# KiCad board s100_ColorMagic-1.1-005.kicad_pcb (continued)
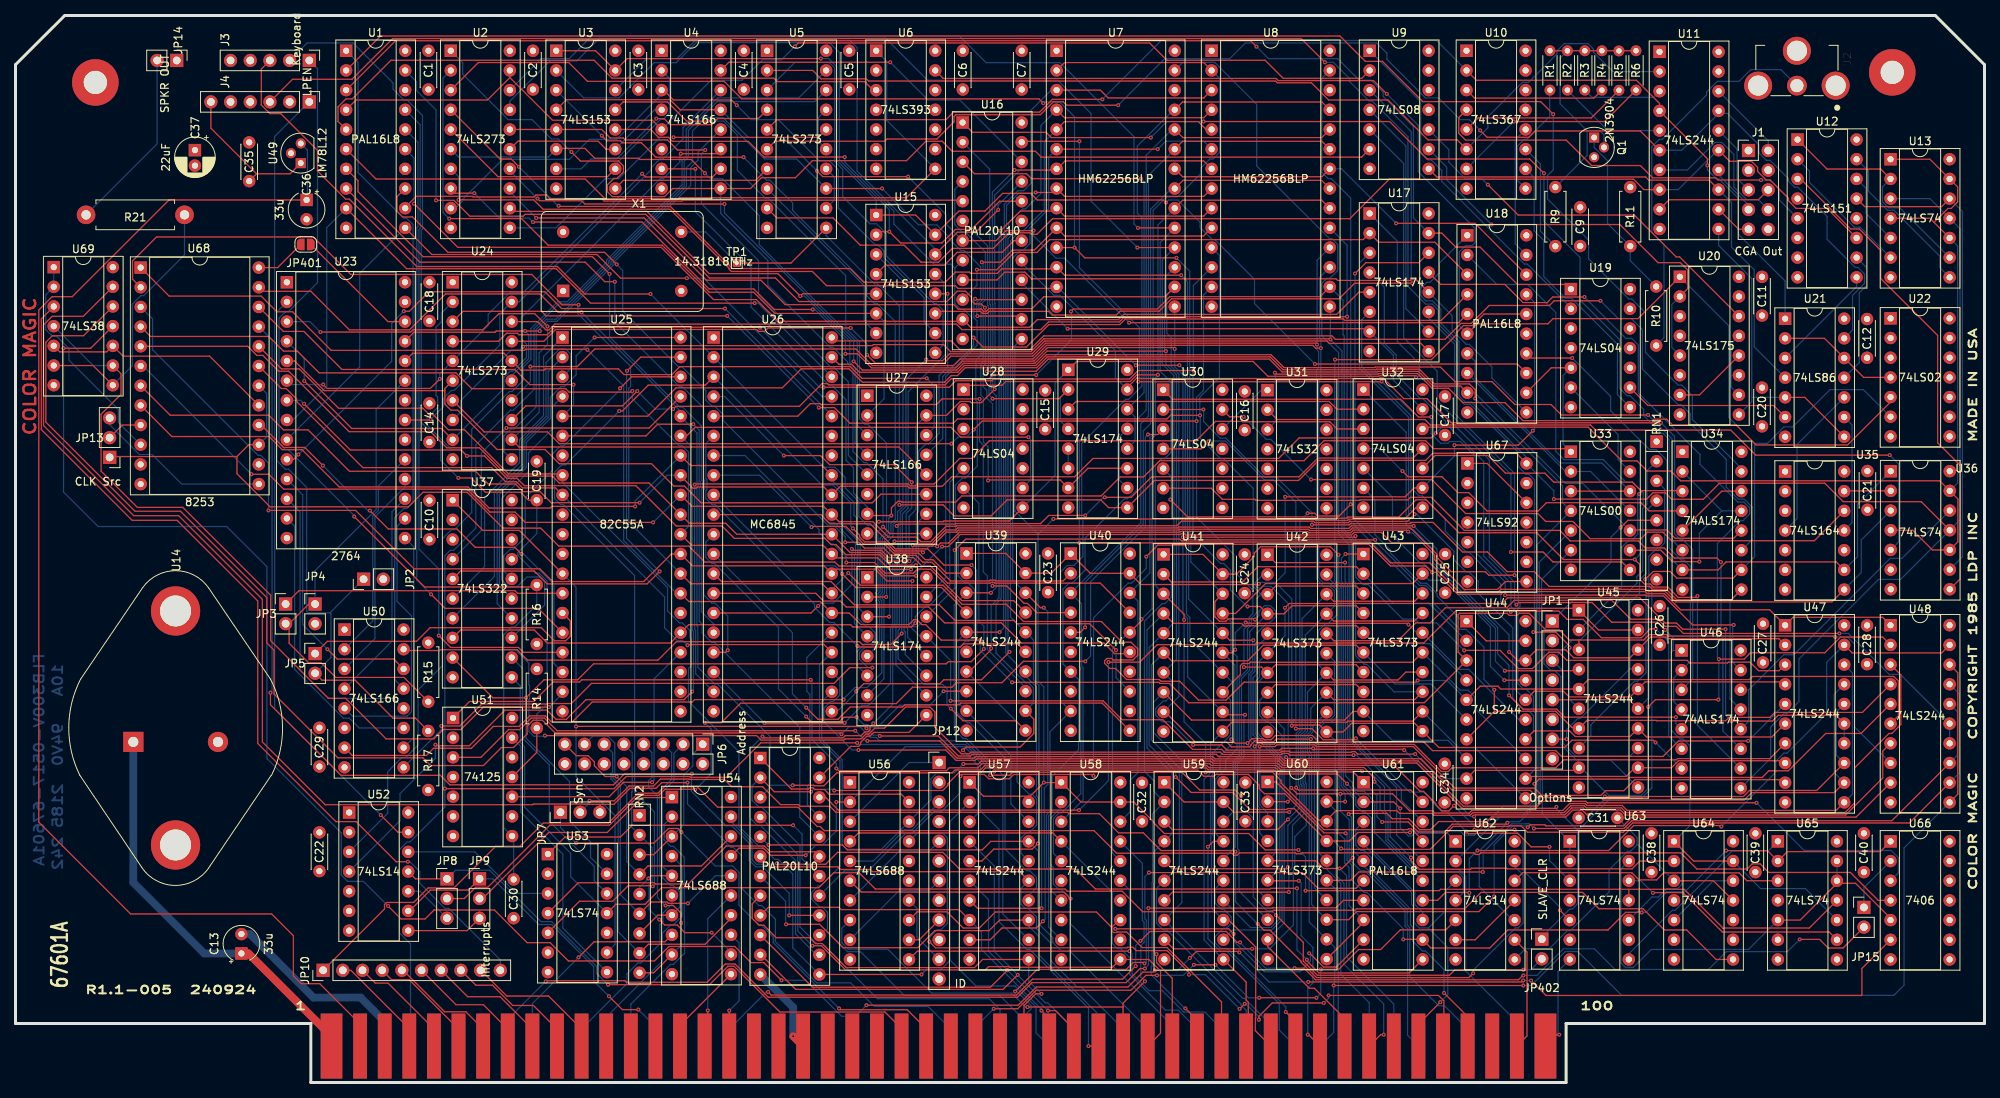
[diagram p0: board, top side]
## Routing (per net, layer and track width the routed paths; a pad name or vN(x,y) marks a point on that pad's centre or on a via; arc(x,y) is an arc through that point) (continued)
Net-(U33-Pad9): length 27
  Component w0.152: U33.9 212.25,68.7 213.72,67.22 v1(217.22,67.22)
  Copper w0.152: v1(217.22,67.22) 217.22,70.89 220.11,73.78 ; U34.13 220.11,73.78 ; 220.11,73.78 U34.2
Net-(U34-Pad14): length 9.7
  Component w0.152: U34.14 220.11,76.31 U34.5
Net-(U37-Pad11): length 189.6
  Component w0.152: U53.11 77.44,23 81.2,23 83.34,25.15 103.63,25.15 105.56,27.07 108.82,27.07 110.92,24.97 135.4,24.97 135.68,24.69 142.75,24.69 145.4,22.04 162.09,22.04 162.27,22.23 172.78,22.23 172.97,22.42 186.94,22.42 189.05,24.53 202.15,24.53 204.26,22.43 209.94,22.43 212.68,19.69 215.58,19.69 219.39,15.88 U64.8
  Copper w0.152: U37.11 65.11,51.19 65.11,43.88 65.67,43.32 65.67,35.53 71.62,29.59 71.62,26.54 U53.11
Net-(U37-Pad12): length 35.5
  Copper w0.152: U37.12 65.4,53.45 65.4,44.45 68.86,40.99 68.86,33.7 74.66,27.9 74.66,26.04 U53.12
Net-(U51-Pad13): length 35.3
  Copper w0.152: U51.13 65.19,43.38 65.19,34.9 70.61,29.48 70.61,19.93 U53.8
Net-(U52-Pad12): length 20.2
  Copper w0.152: U53.3 64.61,24.4 59.25,29.77 U52.12
Net-(U55-Pad1): length 21.7
  Component w0.152: 115.27,36.2 114.26,37.21 104.96,37.21 104.36,37.81 103.12,37.81 102.9,38.03 102.42,38.03 102.27,37.88 100.08,37.88 U55.1
Net-(U62-Pad11): length 9.7
  Component w0.152: U62.11 188.31,18.42 185.78,18.42
Net-(U62-Pad12): length 35.6
  Component w0.152: U62.12 194.43,27.08 208.5,27.08 209.43,26.15 211.69,26.15 212.59,27.06 222.34,27.06 223.36,26.04 U65.3
Net-(U63-Pad8): length 26.1
  Copper w0.152: U65.1 226.12,29.9 221.46,29.9 220.38,28.82 220.38,28.52 214.1,22.23 213.74,22.23 208.12,16.61 U63.8
Net-(U63-Pad12): length 30
  Component w0.152: 234.97,18.42 233.96,19.43 220.18,19.43 215.09,24.51 211.27,24.51 v1(211.23,24.47)
  Copper w0.152: U63.12 209.67,26.04 v1(211.23,24.47)
Net-(U63-Pad13): length 58
  Component w0.152: 234.97,25.71 230.22,20.96 U65.5 ; 234.97,25.71 237.37,25.71 241.88,21.2 U66.5 ; 234.97,25.71 U65.12
  Copper w0.152: U65.5 223.56,17.17 211.02,17.17 208.72,14.88 207.67,14.88 207.1,15.45 207.1,27.56 U63.13 ; U65.13 U65.12
Net-(U64-Pad12): length 9.7
  Copper w0.152: U64.12 219.03,26.04 U64.5
Net-(U67-Pad1): length 9.7
  Component w0.152: U67.1 189.84,79.89 U67.12
Net-(U68-Pad10): length 28.7
  Copper w0.152: U68.10 13.27,85.18 13.27,86.85 6.89,93.23 6.89,94.73 5.28,96.34 4.73,96.34 3.9,97.18 3.9,101.66 U69.2 U69.1
Net-(U68-Pad17): length 30.3
  Component w0.152: U68.17 25.04,93.74 13.88,93.74 U69.10 11.78,94.3 5.7,94.3 U69.5

## Copper pours and planes (outline as drawn; the poured copper is in the pictures)
GND on In2.Cu: 237.7,125.86 252.7,125.86 252.5,9.88 1.7,9.88 1.7,124.45 14.9,124.45 14.9,136.15 237.7,136.25
VCC on In1.Cu: 237.65,125.86 252.65,125.86 252.45,9.88 1.65,9.88 1.65,124.45 14.85,124.45 14.85,136.15 237.65,136.25

## Text on the board
Copper: FLB300V-0517-67601A | 10A   94V0  2185 242
Component: COLOR MAGIC
F.Silkscreen: SLAVE_CLR | 1 | 100 | R1.1-005  240924 | MADE IN USA | COPYRIGHT 1985 LDP INC | COLOR MAGIC | 67601A
